# Altium PCB ADC130MSPS-V1-01.PcbDoc (part 1 of 7) (continued)
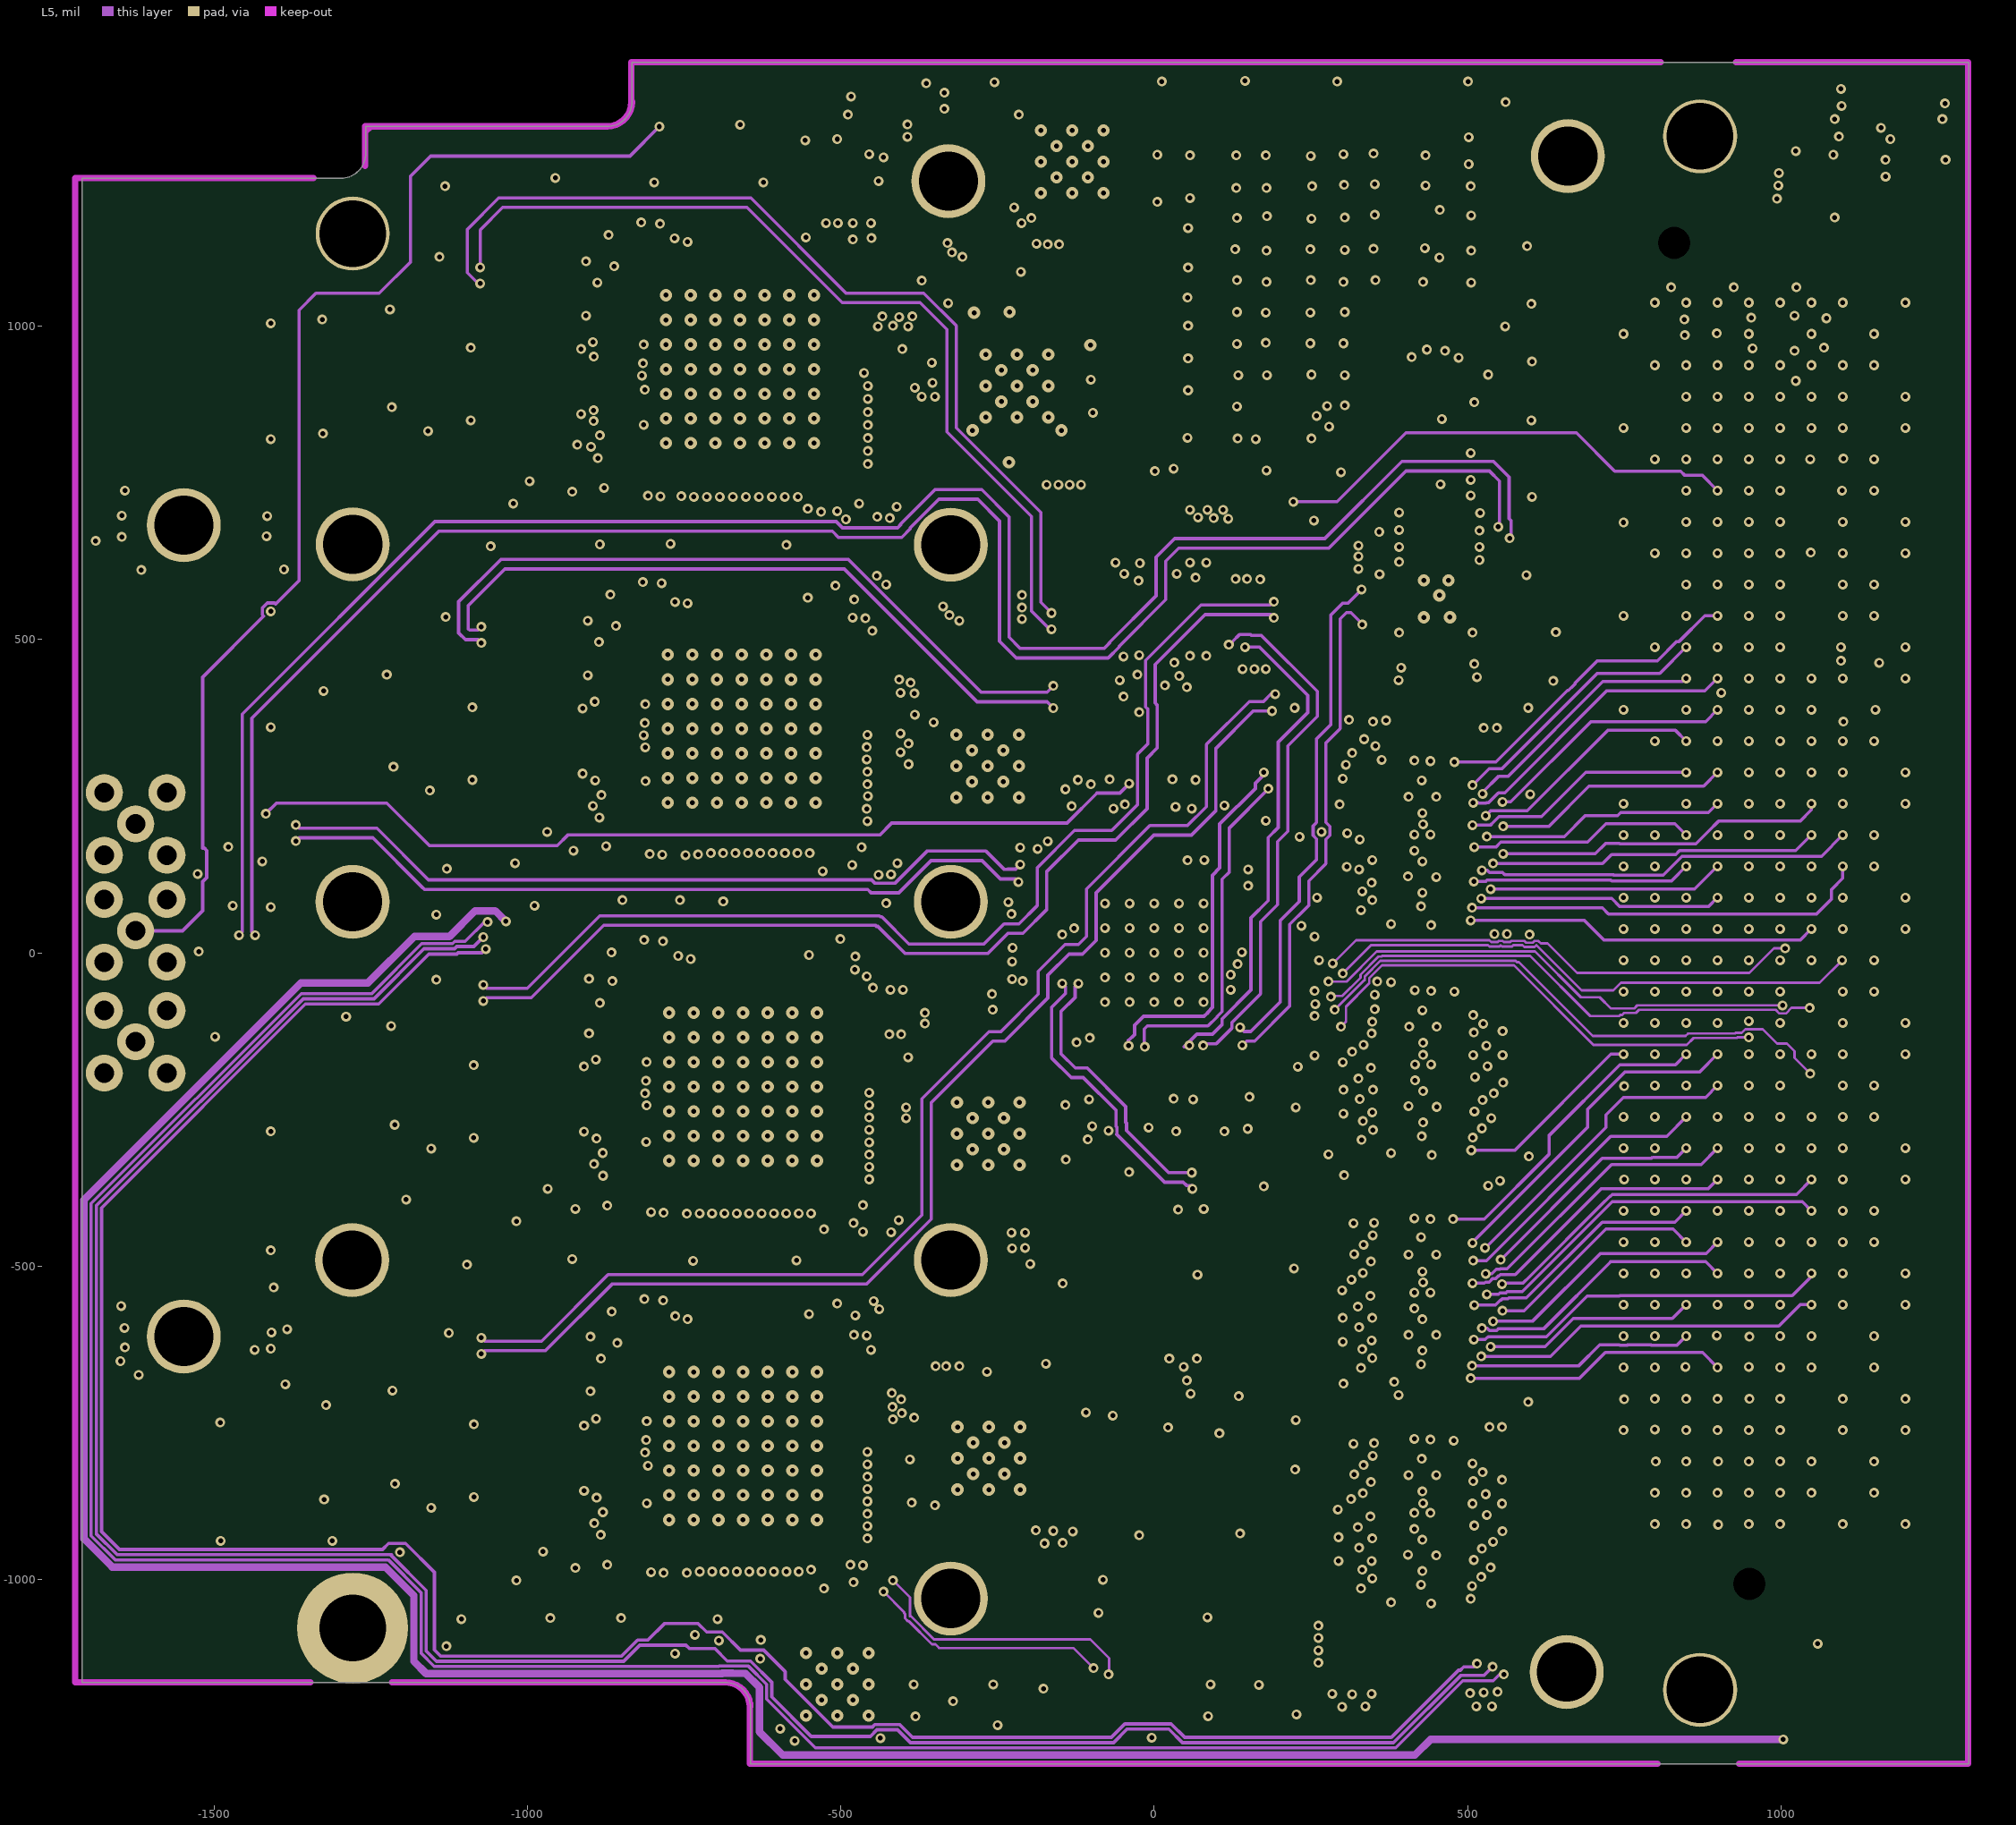
[diagram p5: L5]
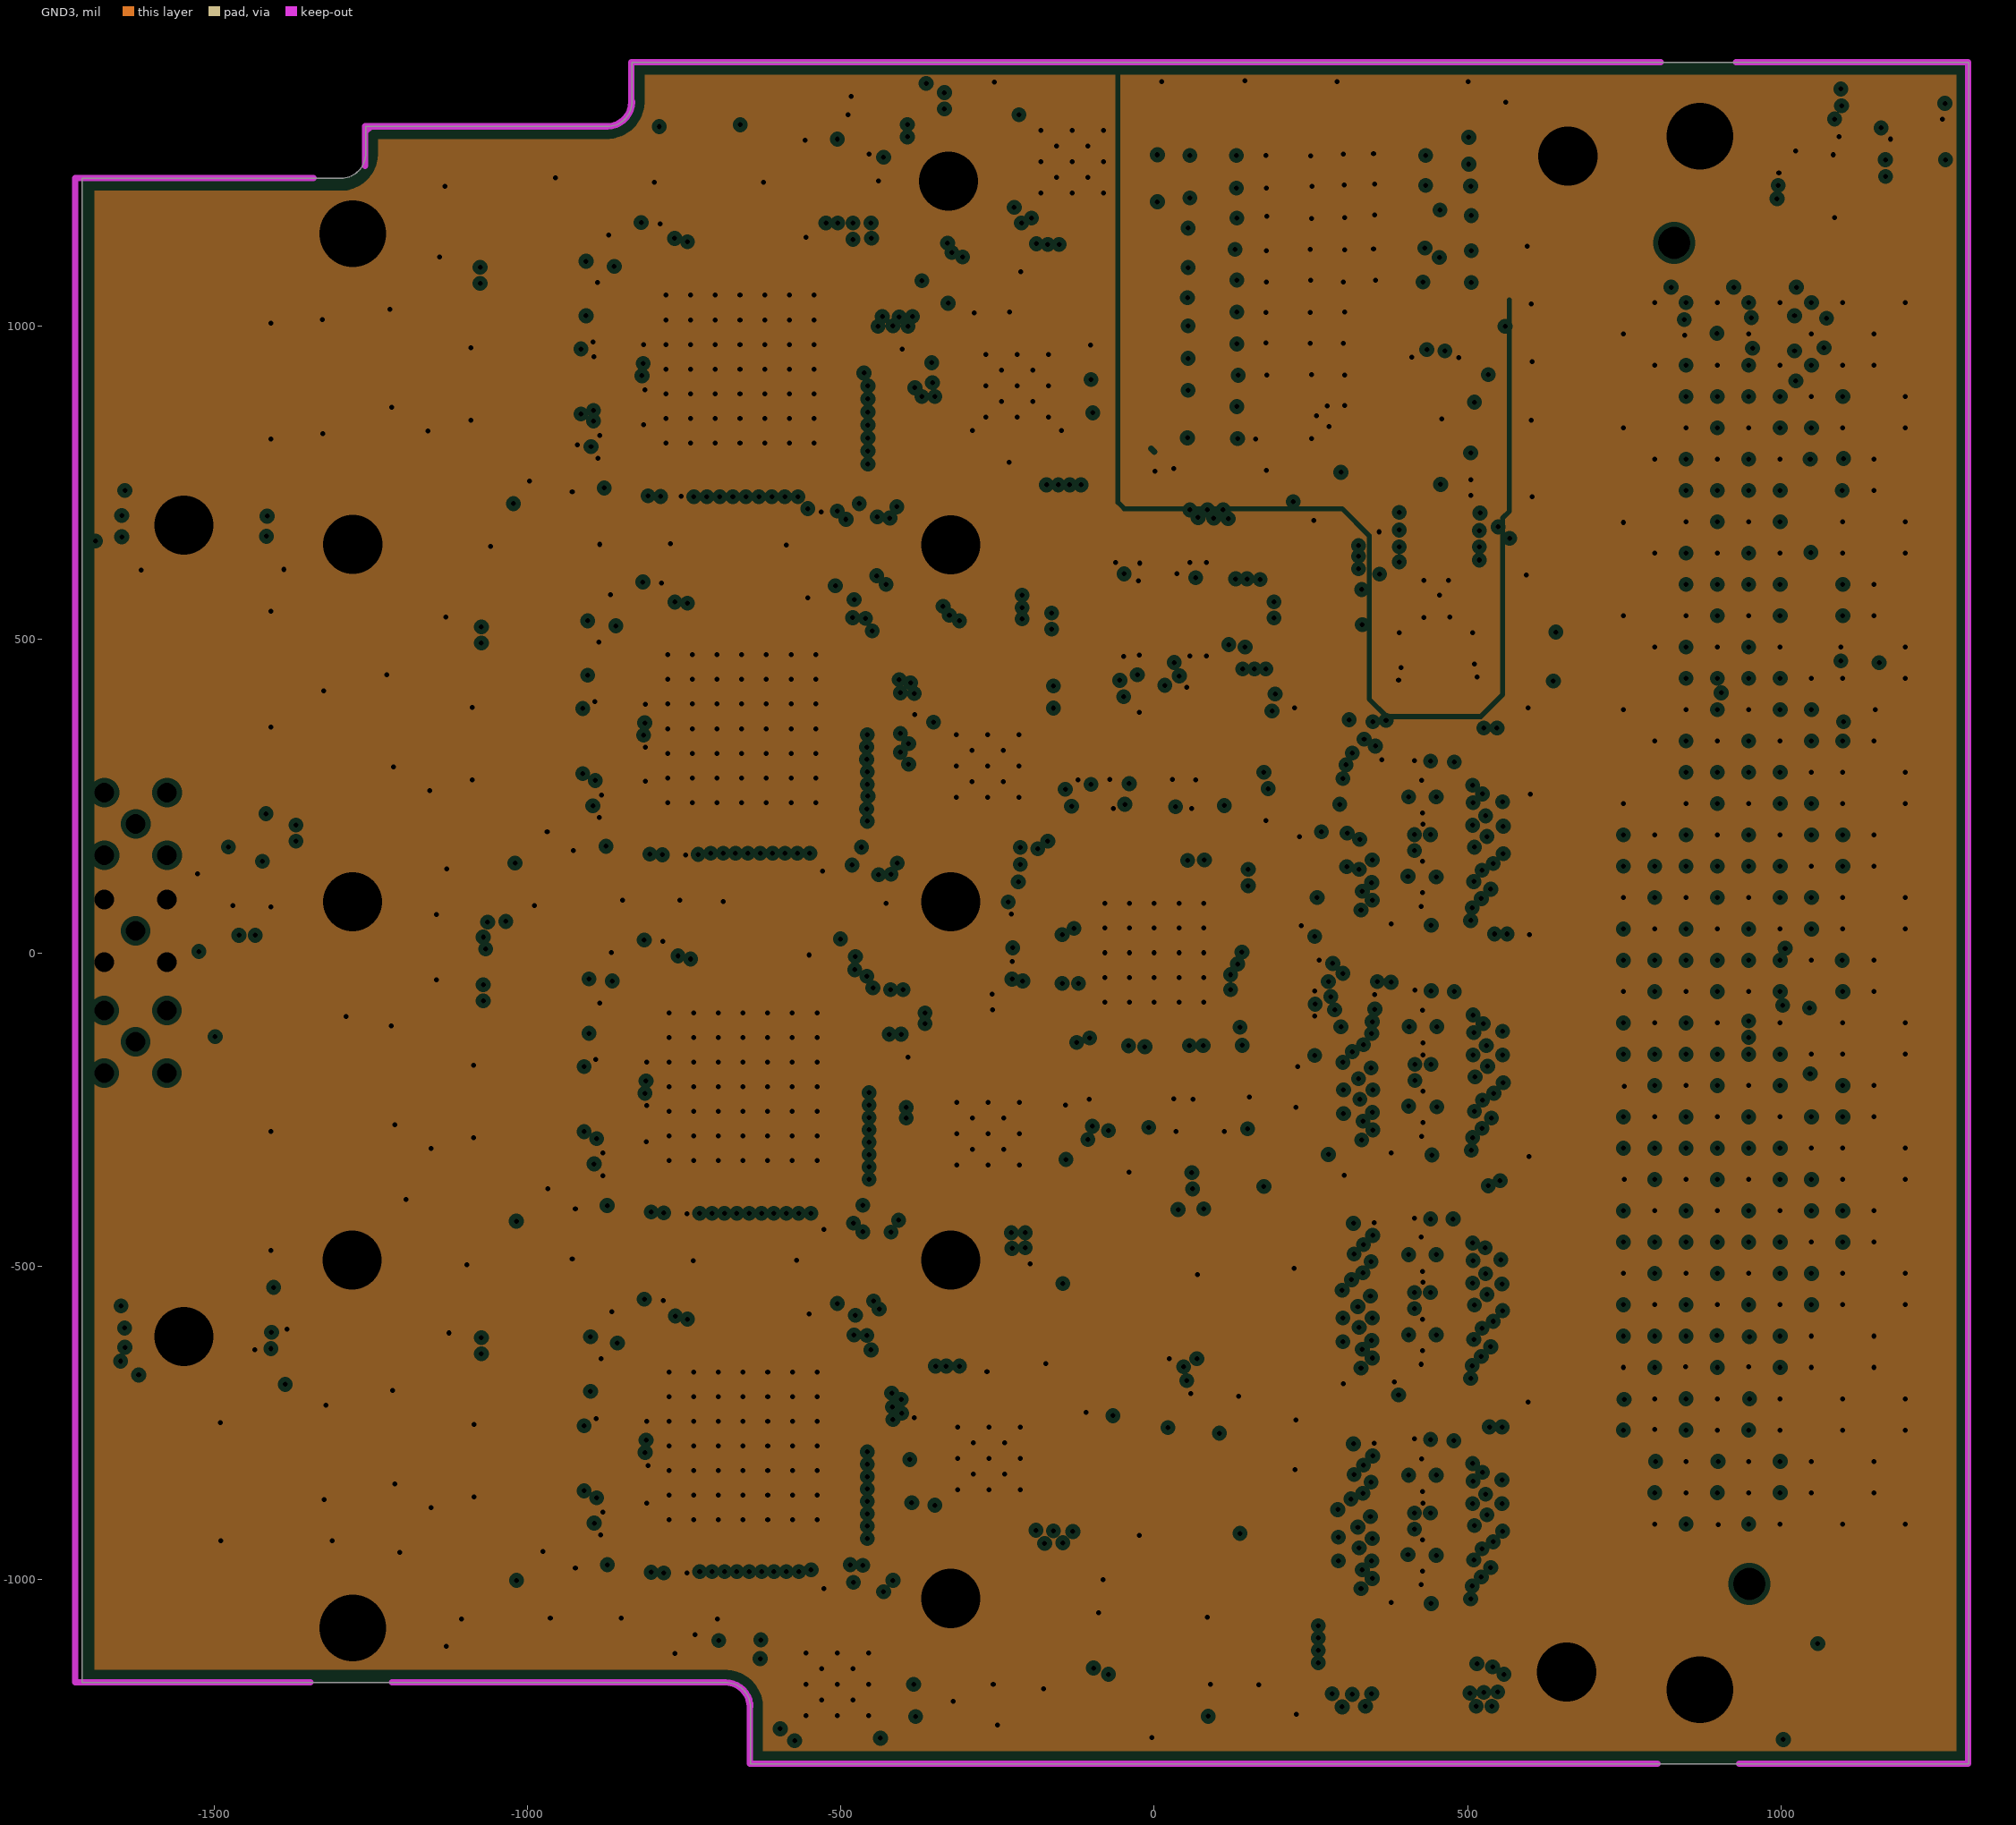
[diagram p6: GND3, clearances drawn from the general rule]
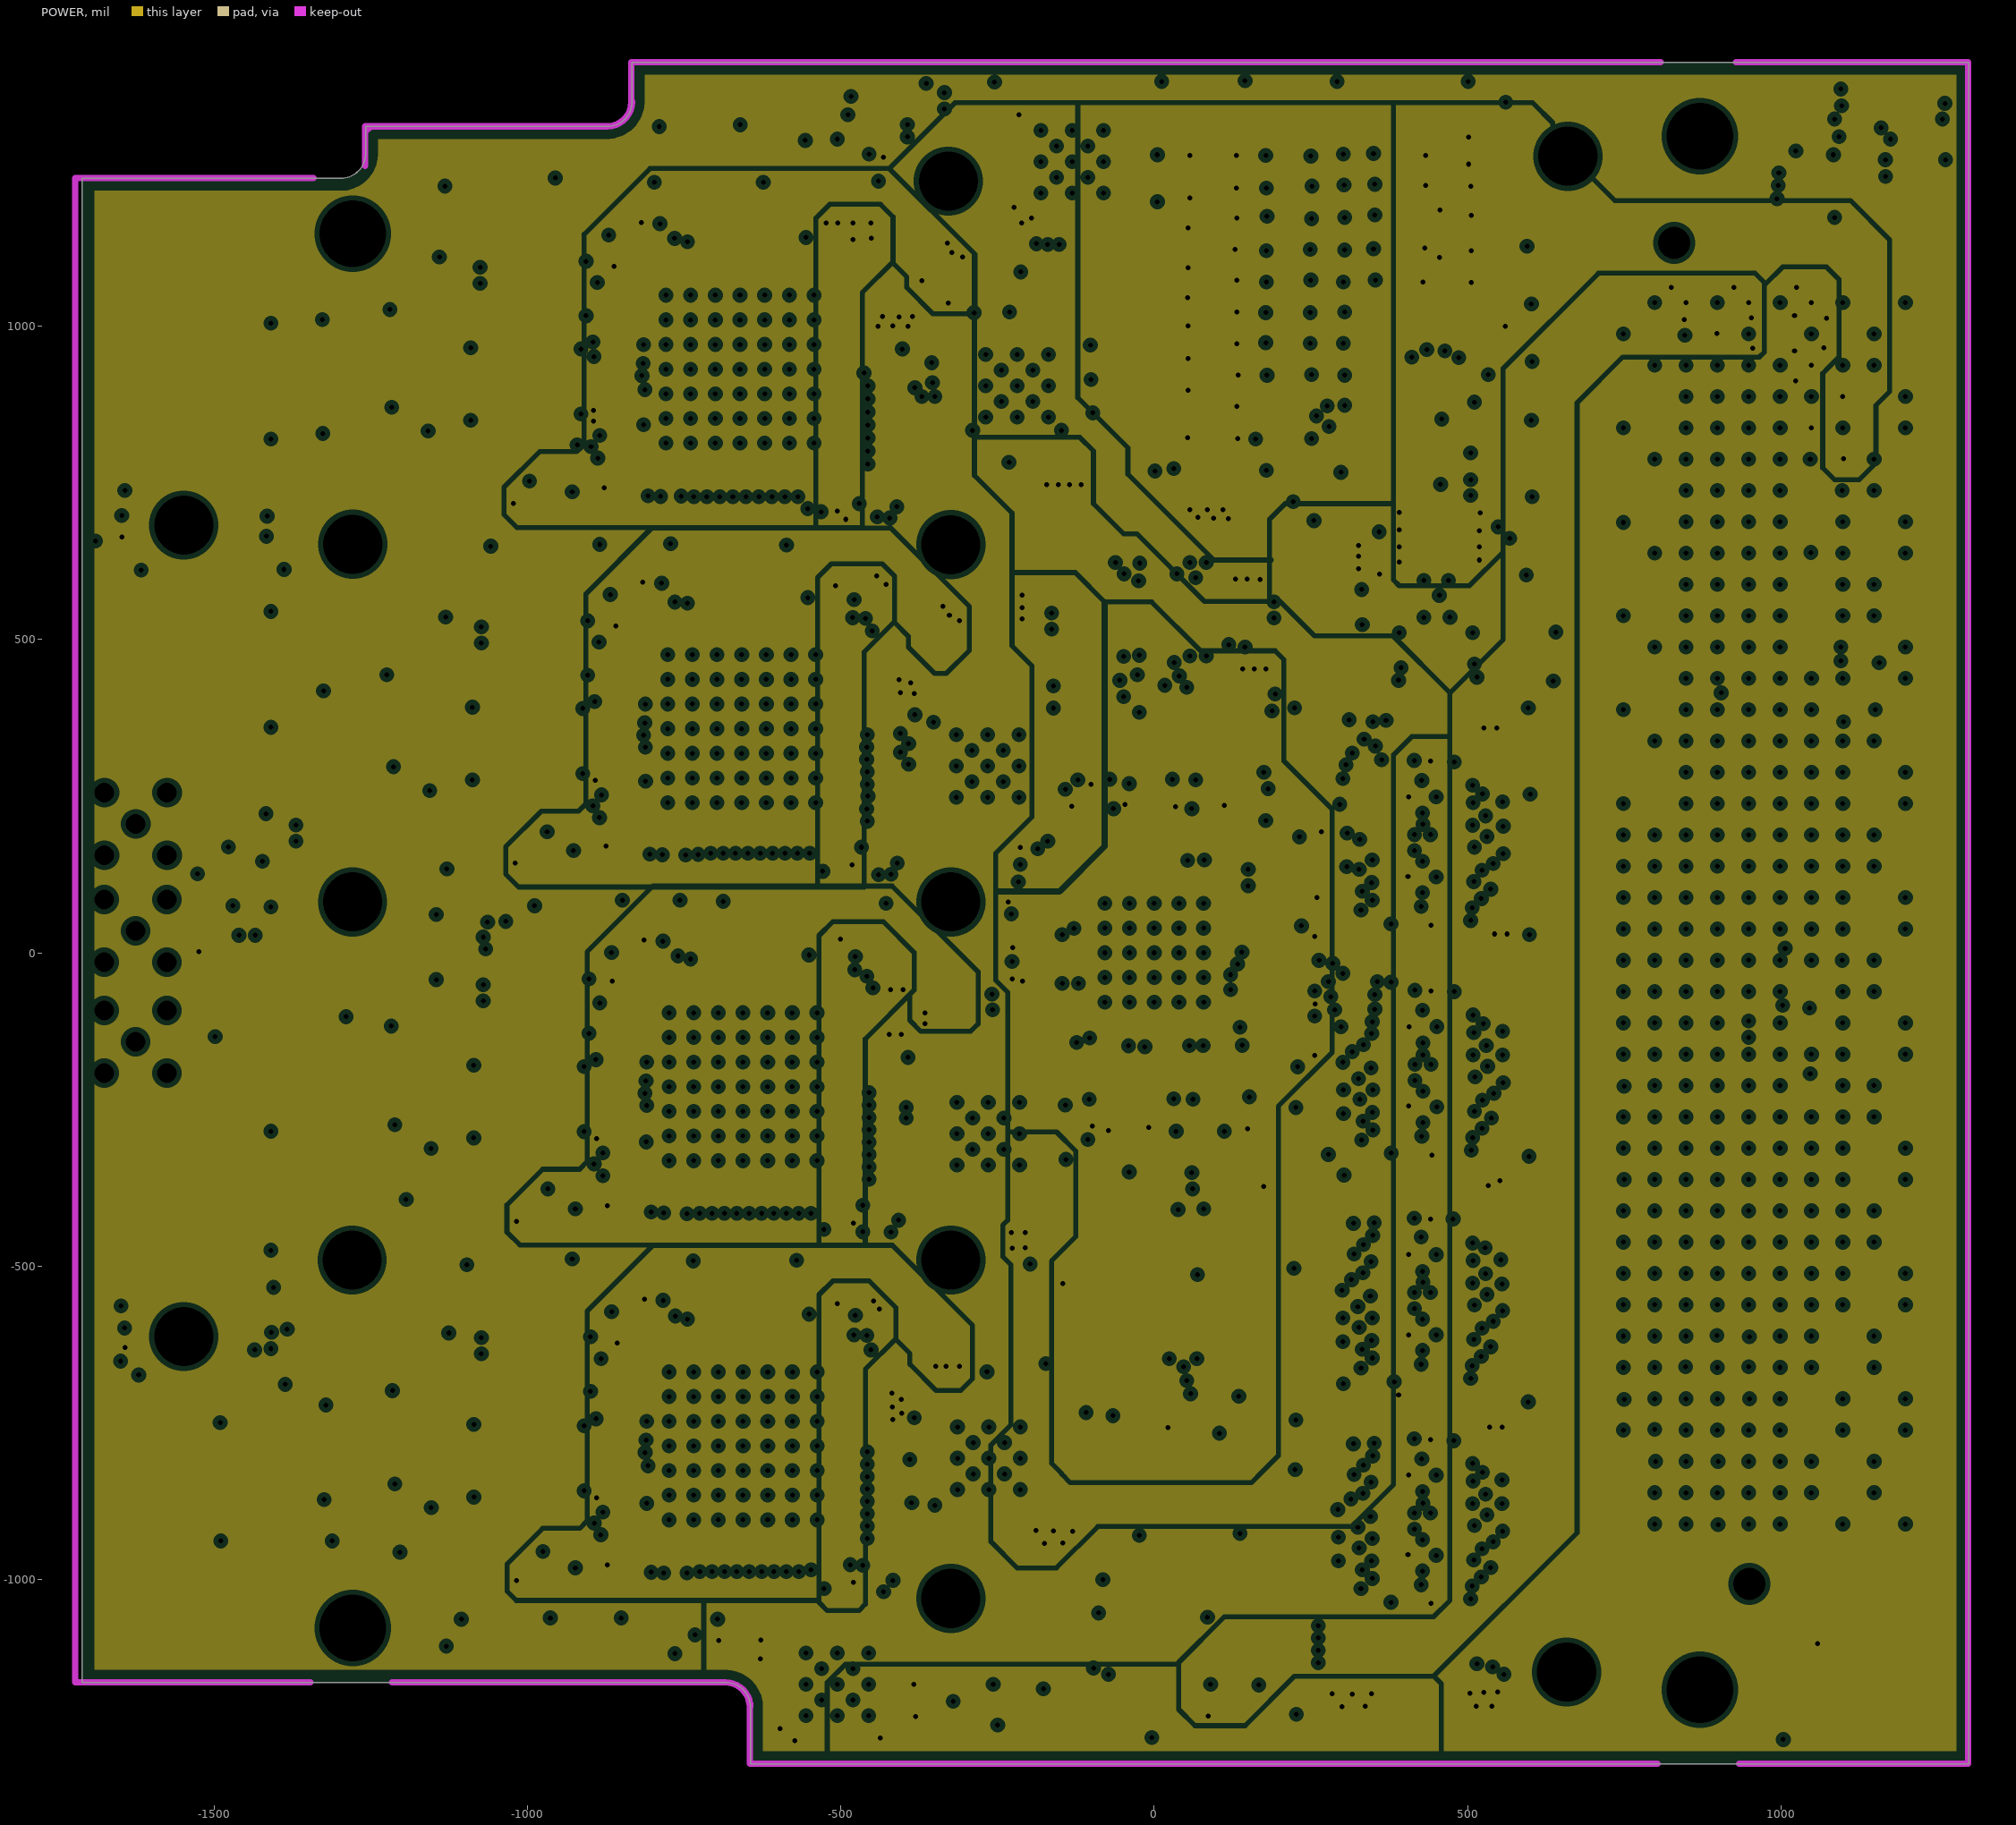
[diagram p7: POWER, clearances drawn from the general rule]
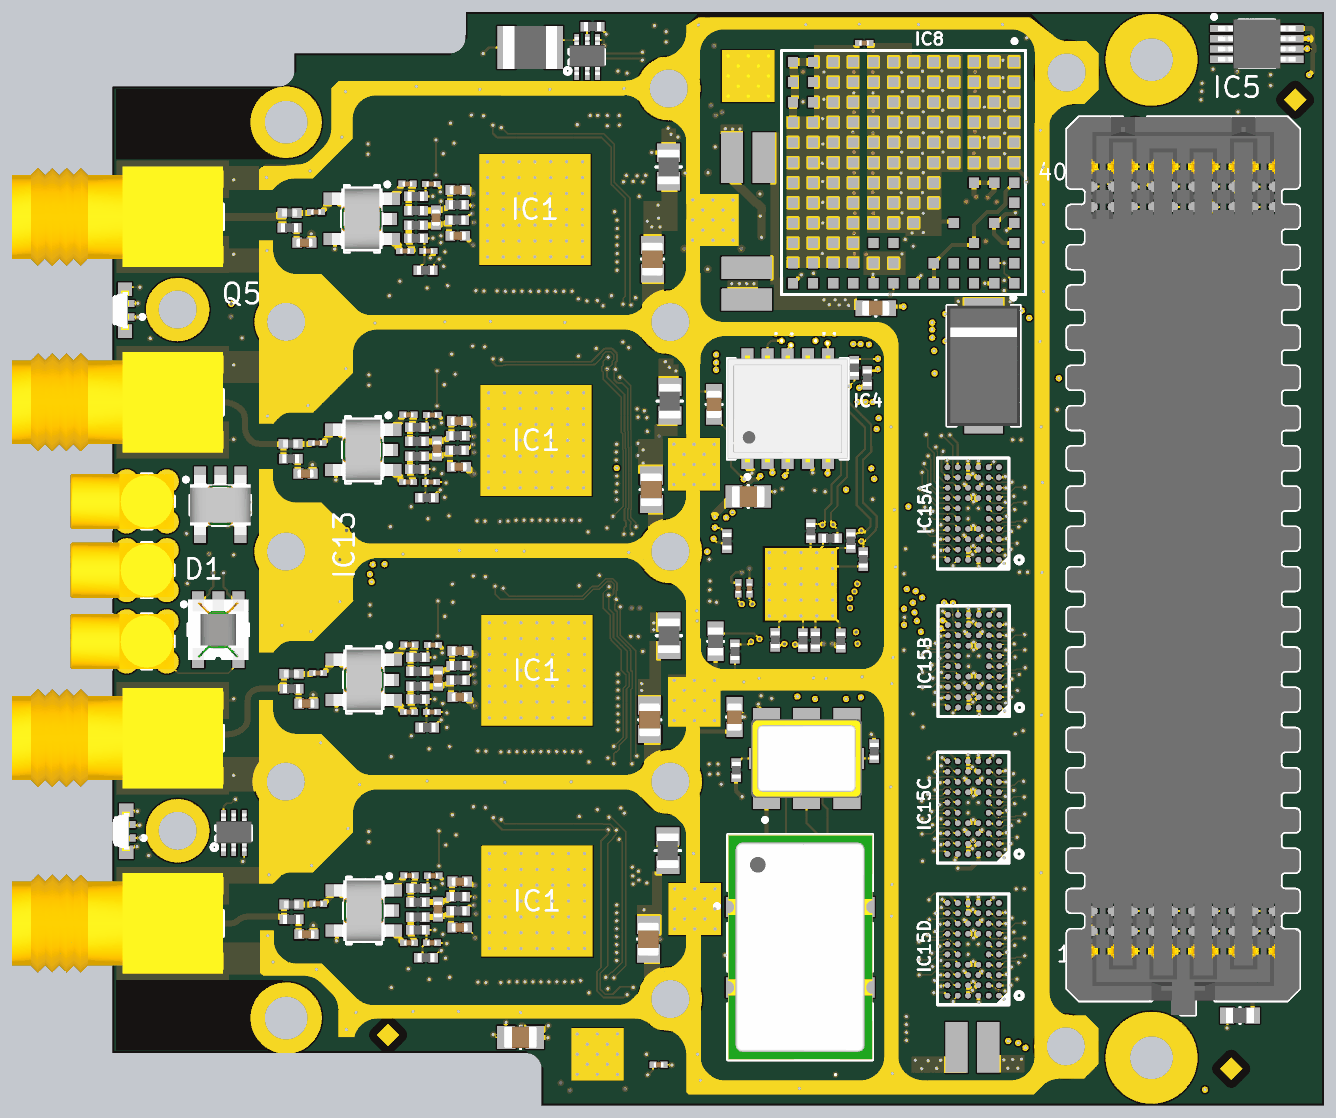
[diagram p14: 3D render of the assembled board from above, using the file's embedded part models]